# Altium PCB PCB_Raspberry_V5.PcbDoc (part 2 of 2)
Units mm, origin at the board's own origin, x right, y up, seen from the top; angles counter-clockwise.
Board outline 92 x 96 mm, 2 copper layers (Top Layer, Bottom Layer), stack 1.611 mm thick; 98 components, 94 nets, 324 pads, 446 vias.
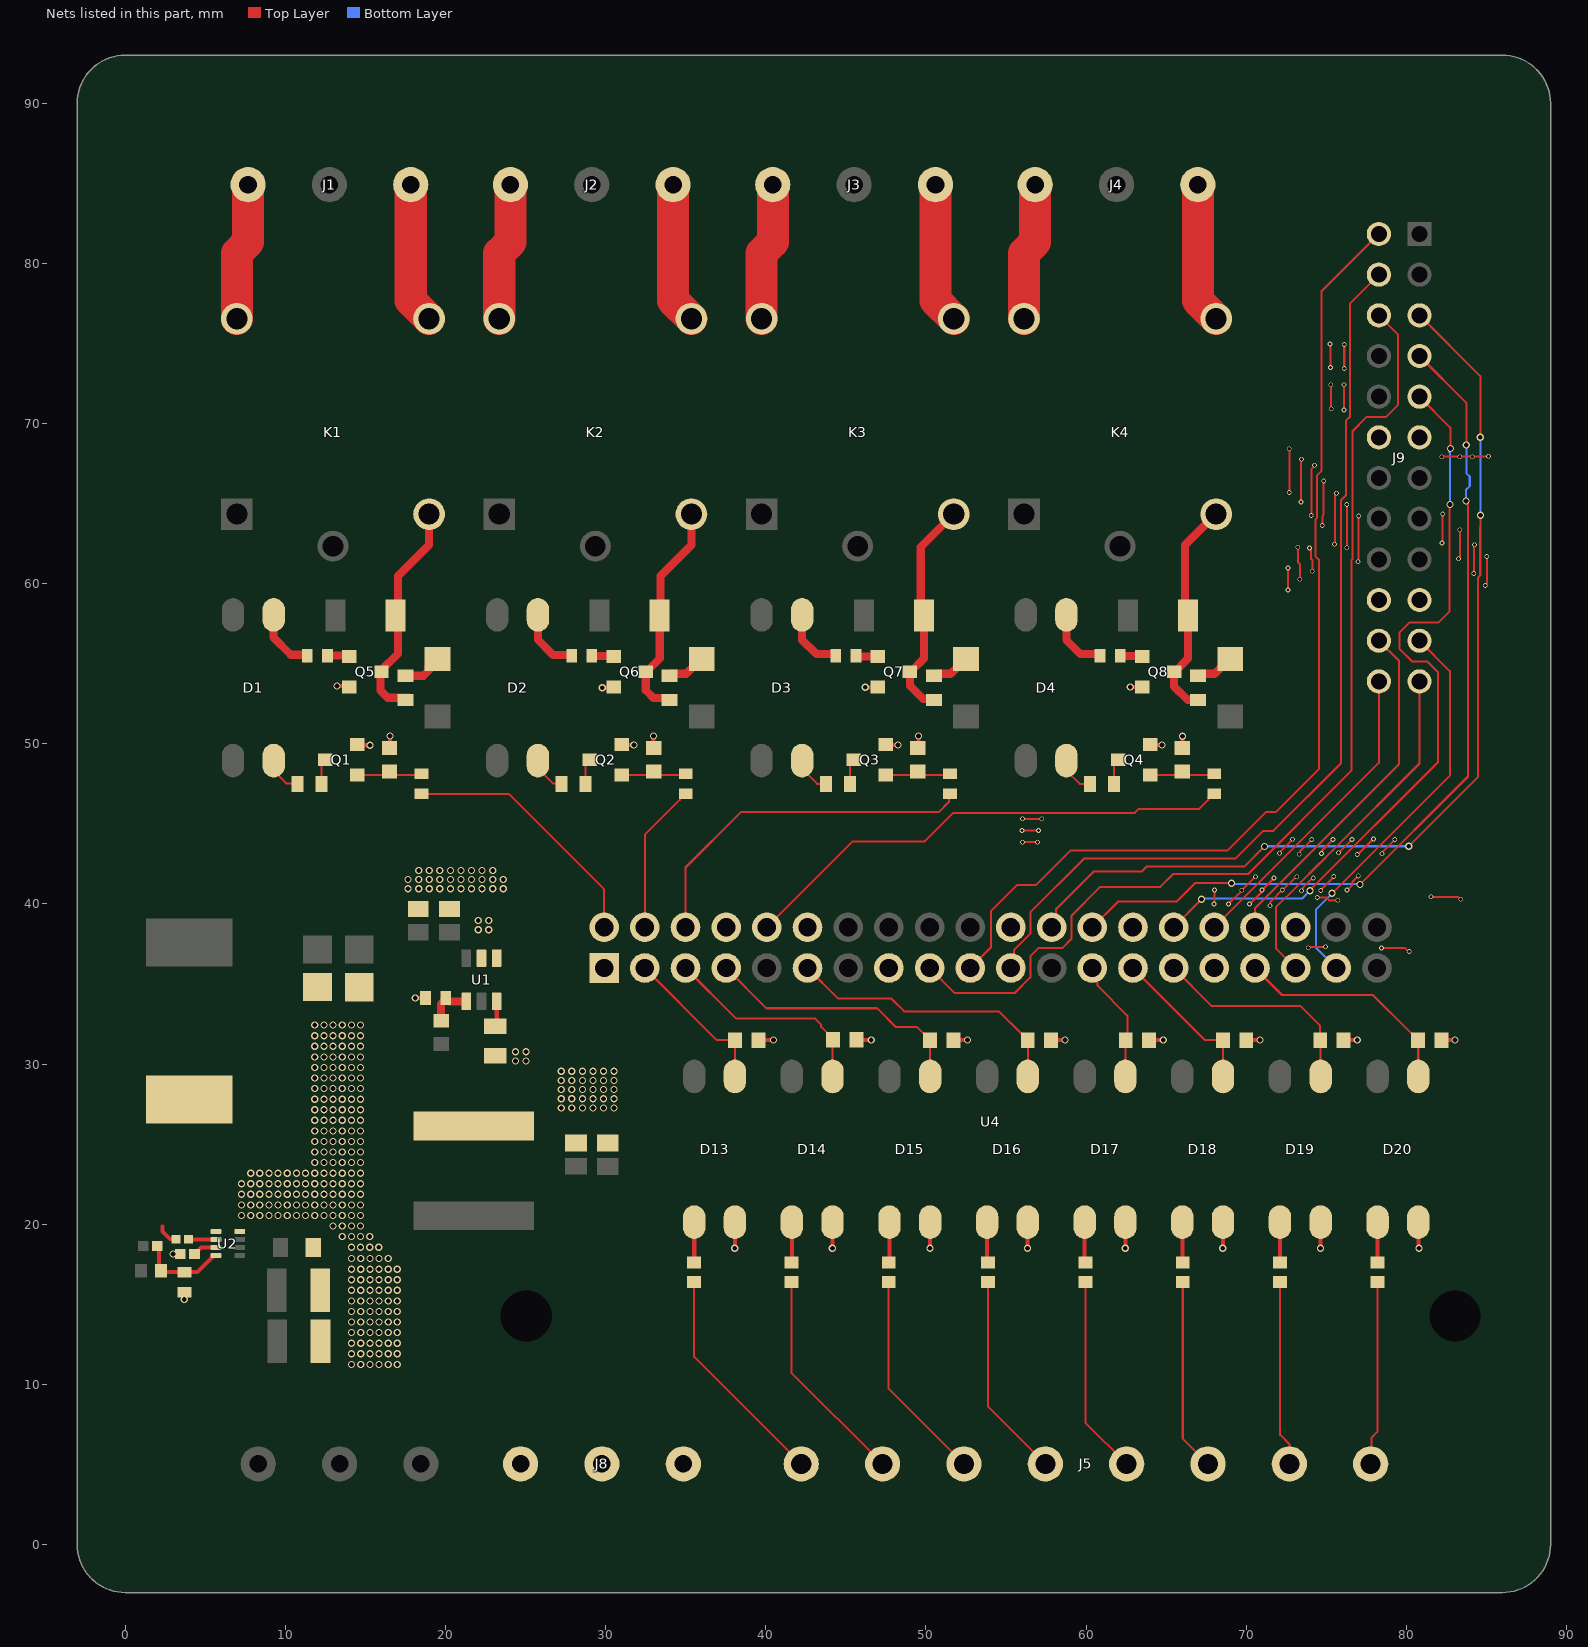
[diagram p2: the nets of this part, all layers, seen from the top]

## Via types
v1: diameter 0.45, hole 0.3, Top Layer to Bottom Layer, tented both sides, 356 vias
v2: diameter 0.3, hole 0.2, Top Layer to Bottom Layer, tented both sides, 83 vias
v3: diameter 3.2, hole 3.2, Top Layer to Bottom Layer, 4 vias
v4: diameter 0.75, hole 0.5, Top Layer to Bottom Layer, tented both sides, 2 vias
v5: diameter 1.27, hole 0.711, Top Layer to Bottom Layer, tented both sides, 1 vias

## Nets (pads, with @x,y where several pads share a name; then routed paths per layer and width w, separated by ;. In a path a pad name is that pad's centre, name@x,y a point inside that pad or via, vN(x,y) a via of type N, cw(c..) or ccw(c..) an arc to the next point about the centre after c; other vN are vias at no path point) (continued)
DI3: J9.3 U4.18 | length 61.5
  Top Layer w0.127: U4.18@57.846,38.54 58.109,38.803 58.109,39.656 60.481,42.028 63.478,42.028 63.802,42.352 69.898,42.352 v1(71.143,43.596) ; v1(80.147,43.609) 84.478,47.94 84.478,60.38 84.613,60.515 84.613,63.509 84.63,63.526 v1(84.63,64.272) ; J9.3@80.82,76.756 84.617,72.959 v1(84.617,69.149)
  Bottom Layer w0.127: v1(71.143,43.596) 71.149,43.603 80.141,43.603 v1(80.147,43.609) ; v1(84.617,69.149) 84.624,69.142 84.624,64.278 v1(84.63,64.272)
DI4: J9.4 U4.16 | length 55.1
  Top Layer w0.127: U4.16@60.386,38.54 62,40.154 65.655,40.154 66.799,41.298 69.076,41.298 v1(69.085,41.289) ; v1(77.112,41.221) 83.847,47.957 83.847,64.942 83.716,65.073 v1(83.716,65.161) ; J9.4@80.82,74.216 83.741,71.295 v1(83.741,68.653)
  Bottom Layer w0.127: v1(69.085,41.289) 69.114,41.26 77.074,41.26 v1(77.112,41.221) ; v1(83.716,65.161) 83.716,65.849 83.957,66.09 83.957,66.691 83.741,66.906 v1(83.741,68.653)
DI5: J9.5 U4.12 | length 48.4
  Top Layer w0.127: U4.12@65.466,38.54 65.466,38.547 67.206,40.287 v1(67.206,40.294) ; v1(73.979,40.821) 73.979,40.857 81.976,48.854 81.976,54.468 81.29,55.153 80.35,55.153 79.563,55.941 79.563,56.944 80.185,57.566 81.988,57.566 82.7,58.278 82.7,64.92 v1(82.725,64.945) ; J9.5@80.82,71.676 82.75,69.746 v1(82.75,68.438)
  Bottom Layer w0.127: v1(67.206,40.294) 67.264,40.353 73.511,40.353 v1(73.979,40.821) ; v1(82.725,64.945) 82.725,68.158 82.674,68.209 82.689,68.223 82.689,68.376 v1(82.75,68.438)
GND: C1.1 C2.1 C3.2 C4.2 C7.1 C8.1 C9.1 C11.1 C12.2 C13.2 D13.2 D14.2 D15.2 D16.2 D17.2 D18.2 D19.2 D20.2 J8.1 J8.2 J8.3 J9.6 J9.10 J9.18 J9.22 Q1.2 Q2.2 Q3.2 Q4.2 Q5.2 Q6.2 Q7.2 Q8.2 R17.1 R18.1 R19.1 R20.1 R21.1 R22.1 R23.1 R24.1 R25.1 R26.1 R27.1 R28.1 R38.1 R40.1 U1.1 U2.4 U4.6 U4.9 U4.14 U4.20 U4.25 U4.30 U4.34 U4.39 | length 100
  Top Layer w0.127: v2(56.004,44.582) v2(57.033,44.582) ; v2(56.03,43.855) v2(56.03,43.855) 56.963,43.857 v2(56.969,43.85) ; v2(56.03,45.319) v2(57.236,45.319) ; v2(67.993,39.99) 68.006,40.002 68.006,40.866 v2(68.018,40.879) ; v2(68.895,39.99) 68.895,40.009 69.72,40.834 v2(69.72,40.853) v2(70.571,41.704) ; v2(70.203,39.99) 70.957,40.744 70.957,40.833 v2(70.99,40.866) 70.99,40.872 71.74,41.621 v2(71.74,41.628) ; v2(71.486,39.888) 71.519,39.921 71.519,40.15 v2(72.248,40.879) 72.286,40.879 73.111,41.704 v2(73.149,41.704) ; v2(72.07,43.165) 72.07,43.196 72.883,44.009 v2(72.883,44.041) ; v2(72.613,59.598) v2(72.613,60.97) ; v2(72.692,65.694) v2(72.692,68.425) ; v2(73.222,62.278) 73.222,61.352 73.345,61.23 73.345,60.276 v2(73.34,60.271) ; v2(73.314,43.101) 73.347,43.134 73.347,43.274 v2(74.089,44.015) ; v2(73.419,65.097) 73.431,65.109 73.431,67.741 v2(73.454,67.764) ; v2(73.454,40.828) 73.454,40.875 73.54,40.961 73.54,41.003 74.166,41.628 v2(74.191,41.628) ; v2(73.873,37.259) 73.92,37.259 73.983,37.323 v2(74.953,37.323) ; v2(73.949,62.227) 73.949,62.18 74.036,62.094 74.036,61.569 74.127,61.478 v2(74.127,60.779) ; v2(74.064,64.259) 74.064,67.146 74.267,67.349 v2(74.267,67.396) ; v2(74.432,40.396) 75.006,40.396 75.177,40.224 75.708,40.224 v2(75.715,40.231) ; v2(74.648,40.84) 74.648,40.872 75.461,41.685 v2(75.461,41.717) ; v2(74.699,43.152) 74.732,43.185 74.732,43.337 v2(75.423,44.028) ; v2(74.749,63.624) 74.749,64.208 74.838,64.297 v2(74.838,66.406) ; v2(75.232,74.965) 75.251,74.946 75.251,73.511 v2(75.27,73.492) ; v2(75.283,72.425) 75.296,72.413 75.296,70.939 v2(75.308,70.927) ; v2(75.511,62.456) 75.544,62.489 75.544,65.507 75.634,65.597 v2(75.634,65.644) ; v2(75.765,43.203) 75.778,43.203 76.591,44.015 v2(76.604,44.015) ; v2(76.108,70.851) v2(76.108,72.425) ; v2(76.121,73.429) v2(76.121,74.94) ; v2(76.281,62.24) v2(76.281,64.945) ; v2(76.299,40.866) 76.643,41.21 76.643,41.401 v2(76.997,41.755) ; v2(76.934,43.088) 76.959,43.088 77.924,44.054 v2(77.95,44.054) ; v2(76.985,61.364) 77.004,61.383 77.004,64.215 v2(77.023,64.234) ; v2(78.445,37.246) 79.922,37.246 80.138,37.03 v2(80.185,37.03) ; v2(78.483,43.139) 78.516,43.172 78.516,43.261 v2(79.271,44.015) ; v2(81.531,40.447) 83.199,40.447 83.351,40.294 v2(83.398,40.294) ; v2(82.204,67.93) v2(83.335,67.93) v2(84.114,67.93) 84.127,67.942 85.113,67.942 v2(85.125,67.955) ; v2(82.217,62.532) 82.242,62.557 82.242,64.323 v2(82.268,64.348) ; v2(83.258,61.554) 83.258,61.601 83.335,61.677 v2(83.335,63.37) ; v2(84.211,60.627) 84.234,60.65 84.234,62.415 v2(84.249,62.43) ; v2(84.922,59.878) 84.922,59.925 85.024,60.026 v2(85.024,61.694)
  Top Layer w0.254: v1(13.218,53.604) 13.946,53.604 Q5.2@14,53.55 ; Q1.2@14.5,49.95 14.542,49.908 v1(15.275,49.908) ; R25.1@16.5,49.729 16.533,49.762 v1(16.533,50.48) ; v1(18.107,34.135) R38.1@18.748,34.135 ; v1(29.791,53.502) 30.452,53.502 Q6.2@30.5,53.55 ; Q2.2@31,49.95 31.016,49.934 v1(31.76,49.934) ; v1(32.992,50.492) 32.992,49.738 R26.1@33,49.729 ; v1(38.059,18.5) 38.065,18.505 38.065,20.123 D13.2@38.07,20.129 ; R17.1@39.538,31.5 v1(40.485,31.5) ; v1(44.155,18.5) 44.161,18.505 44.161,20.123 D14.2@44.166,20.129 ; R18.1@45.659,31.531 45.69,31.5 v1(46.581,31.5) ; v1(46.213,53.528) 46.978,53.528 Q7.2@47,53.55 ; Q3.2@47.5,49.95 47.516,49.934 v1(48.257,49.934) ; R27.1@49.5,49.729 49.527,49.757 v1(49.527,50.48) ; v1(50.251,18.5) 50.257,18.505 50.257,20.123 D15.2@50.262,20.129 ; R19.1@51.717,31.5 v1(52.588,31.5) ; v1(56.347,18.5) 56.353,18.505 56.353,20.123 D16.2@56.358,20.129 ; R20.1@57.813,31.5 v1(58.684,31.5) ; v1(62.443,18.5) 62.449,18.505 62.449,20.123 D17.2@62.454,20.129 ; v1(62.761,53.54) 63.49,53.54 Q8.2@63.5,53.55 ; R21.1@63.934,31.5 v1(64.818,31.5) ; Q4.2@64,49.95 64.016,49.934 v1(64.742,49.934) ; R28.1@66,49.729 66.012,49.741 v1(66.012,50.467) ; v1(68.539,18.5) 68.545,18.505 68.545,20.123 D18.2@68.55,20.129 ; R22.1@70.005,31.5 v1(70.863,31.5) ; v1(74.635,18.5) 74.641,18.505 74.641,20.123 D19.2@74.646,20.129 ; R23.1@76.076,31.5 v1(76.934,31.5) ; D20.2@80.742,20.129 80.762,20.109 80.762,18.52 v1(80.782,18.5) ; R24.1@82.184,31.5 v1(83.03,31.5)
  other v1: 14.132,11.249 14.704,11.249 15.275,11.249 15.847,11.249 16.418,11.249 16.99,11.249 14.132,11.91 14.704,11.91 15.275,11.91 15.847,11.91 16.418,11.91 16.99,11.91 14.132,12.57 14.704,12.57 15.275,12.57 15.847,12.57 16.418,12.57 16.99,12.57 14.132,13.231 14.704,13.231 15.275,13.231 15.847,13.231 16.418,13.231 16.99,13.231 14.132,13.891 14.704,13.891 15.275,13.891 15.847,13.891 16.418,13.891 16.99,13.891 14.132,14.551 14.704,14.551 15.275,14.551 15.847,14.551 16.418,14.551 16.99,14.551 14.132,15.212 14.704,15.212 15.275,15.212 15.847,15.212 16.418,15.212 16.99,15.212 3.684,15.292 14.132,15.872 14.704,15.872 15.275,15.872 15.847,15.872 16.418,15.872 16.99,15.872 14.132,16.533 14.704,16.533 15.275,16.533 15.847,16.533 16.418,16.533 16.99,16.533 14.132,17.193 14.704,17.193 15.275,17.193 15.847,17.193 16.418,17.193 16.99,17.193 14.132,17.853 14.704,17.853 15.275,17.853 15.847,17.853 16.418,17.853 2.986,18.15 14.12,18.565 14.691,18.565 15.263,18.565 15.834,18.565 13.548,19.225 14.12,19.225 14.691,19.225 15.263,19.225 12.977,19.885 13.548,19.885 14.12,19.885 14.691,19.885 7.262,20.546 7.833,20.546 8.405,20.546 8.976,20.546 9.548,20.546 10.119,20.546 10.691,20.546 11.262,20.546 11.834,20.546 12.405,20.546 12.977,20.546 13.548,20.546 14.12,20.546 14.691,20.546 7.262,21.206 7.833,21.206 8.405,21.206 8.976,21.206 9.548,21.206 10.119,21.206 10.691,21.206 11.262,21.206 11.834,21.206 12.405,21.206 12.977,21.206 13.548,21.206 14.12,21.206 14.691,21.206 7.262,21.867 7.833,21.867 8.405,21.867 8.976,21.867 9.548,21.867 10.119,21.867 10.691,21.867 11.262,21.867 11.834,21.867 12.405,21.867 12.977,21.867 13.548,21.867 14.12,21.867 14.691,21.867 7.262,22.527 7.833,22.527 8.405,22.527 8.976,22.527 9.548,22.527 10.119,22.527 10.691,22.527 11.262,22.527 11.834,22.527 12.405,22.527 12.977,22.527 13.548,22.527 14.12,22.527 14.691,22.527 7.833,23.187 8.405,23.187 8.976,23.187 9.548,23.187 10.119,23.187 10.691,23.187 11.262,23.187 11.834,23.187 12.405,23.187 12.977,23.187 13.548,23.187 14.12,23.187 14.691,23.187 11.834,23.848 12.405,23.848 12.977,23.848 13.548,23.848 14.12,23.848 14.691,23.848 11.834,24.508 12.405,24.508 12.977,24.508 13.548,24.508 14.12,24.508 14.691,24.508 11.834,25.169 12.405,25.169 12.977,25.169 13.548,25.169 14.12,25.169 14.691,25.169 11.834,25.829 12.405,25.829 12.977,25.829 13.548,25.829 14.12,25.829 14.691,25.829 11.834,26.489 12.405,26.489 12.977,26.489 13.548,26.489 14.12,26.489 14.691,26.489 11.834,27.15 12.405,27.15 12.977,27.15 13.548,27.15 14.12,27.15 14.691,27.15 27.226,27.264 27.886,27.264 28.547,27.264 29.207,27.264 29.868,27.264 30.528,27.264 11.834,27.81 12.405,27.81 12.977,27.81 13.548,27.81 14.12,27.81 14.691,27.81 27.226,27.836 27.886,27.836 28.547,27.836 29.207,27.836 29.868,27.836 30.528,27.836 27.226,28.407 27.886,28.407 28.547,28.407 29.207,28.407 29.868,28.407 30.528,28.407 11.834,28.471 12.405,28.471 12.977,28.471 13.548,28.471 14.12,28.471 14.691,28.471 27.226,28.979 27.886,28.979 28.547,28.979 29.207,28.979 29.868,28.979 30.528,28.979 11.834,29.131 12.405,29.131 12.977,29.131 13.548,29.131 14.12,29.131 14.691,29.131 27.226,29.55 27.886,29.55 28.547,29.55 29.207,29.55 29.868,29.55 30.528,29.55 11.834,29.791 12.405,29.791 12.977,29.791 13.548,29.791 14.12,29.791 14.691,29.791 11.834,30.452 12.405,30.452 12.977,30.452 13.548,30.452 14.12,30.452 14.691,30.452 11.834,31.112 12.405,31.112 12.977,31.112 13.548,31.112 14.12,31.112 14.691,31.112 11.834,31.773 12.405,31.773 12.977,31.773 13.548,31.773 14.12,31.773 14.691,31.773 11.834,32.433 12.405,32.433 12.977,32.433 13.548,32.433 14.12,32.433 14.691,32.433 17.663,40.955 18.323,40.955 18.984,40.955 19.644,40.955 20.305,40.955 20.965,40.955 21.625,40.955 22.286,40.955 22.946,40.955 23.607,40.955 17.663,41.526 18.323,41.526 18.984,41.526 19.644,41.526 20.305,41.526 20.965,41.526 21.625,41.526 22.286,41.526 22.946,41.526 23.607,41.526 18.323,42.098 18.984,42.098 19.644,42.098 20.305,42.098 20.965,42.098 21.625,42.098 22.286,42.098 22.946,42.098
IN1: J5.1 R29.2 | length 14.1
  Top Layer w0.127: R29.2@35.519,16.385 35.519,11.726 J5.1@42.213,5.032
IN2: J5.2 R30.2 | length 13.7
  Top Layer w0.127: R30.2@41.597,16.385 41.597,10.728 J5.2@47.293,5.032
IN3: J5.3 R31.2 | length 13.3
  Top Layer w0.127: R31.2@47.675,16.385 47.675,9.73 J5.3@52.373,5.032
IN4: J5.4 R32.2 | length 12.8
  Top Layer w0.127: R32.2@53.88,16.385 53.88,8.605 J5.4@57.453,5.032
IN5: J5.5 R33.2 | length 12.4
  Top Layer w0.127: R33.2@59.958,16.385 59.958,7.607 J5.5@62.533,5.032
IN6: J5.6 R34.2 | length 12
  Top Layer w0.127: R34.2@66.035,16.385 66.035,6.61 J5.6@67.613,5.032
IN7: J5.7 R35.2 | length 11.6
  Top Layer w0.127: R35.2@72.113,16.385 72.113,6.843 72.708,6.248 72.708,5.047 J5.7@72.693,5.032
IN8: J5.8 R36.2 | length 11.5
  Top Layer w0.127: J5.8@77.773,5.032 77.81,5.069 77.81,6.652 78.191,7.033 R36.2@78.191,16.385
MISO: J9.13 U4.21 | length 63.4
  Top Layer w0.127: U4.21@52.766,36 54.048,37.282 54.048,39.545 55.699,41.196 56.881,41.196 59.014,43.33 68.819,43.33 71.244,45.755 71.867,45.755 74.534,48.422 74.534,61.503 74.313,61.724 74.313,63.994 74.427,64.109 74.427,66.764 74.686,67.023 74.686,78.242 J9.13@78.28,81.836
MOSI: J9.14 U4.19 | length 58.7
  Top Layer w0.127: U4.19@55.306,36 55.492,36.186 55.492,37.116 56.525,38.149 56.525,39.469 59.903,42.847 69.339,42.847 71.054,44.562 71.689,44.562 75.918,48.791 75.918,65.199 76.223,65.504 76.223,70.177 76.485,70.439 76.485,77.501 J9.14@78.28,79.296
NC1: J1.1 K1.NC | length 8.7
  Top Layer w2: K1.NC@6.972,76.542 6.972,80.632 7.669,81.329 J1.1@7.669,84.915
NC2: J2.1 K2.NC | length 8.7
  Top Layer w2: K2.NC@23.355,76.542 23.355,80.632 24.052,81.329 J2.1@24.052,84.915
NC3: J3.1 K3.NC | length 8.7
  Top Layer w2: K3.NC@39.738,76.542 39.738,80.632 40.435,81.329 J3.1@40.434,84.915
NC4: J4.1 K4.NC | length 8.7
  Top Layer w2: K4.NC@56.121,76.542 56.121,80.632 56.818,81.329 J4.1@56.818,84.915
NetC5_1: C5.1 L1.1 U1.2
  other v1: 24.365,30.195 25.025,30.195 24.365,30.766 25.025,30.766 22.044,38.389 22.705,38.389 22.044,38.961 22.705,38.961
NetC5_2: C5.2 U1.6 | length 1.6
  Top Layer w0.254: U1.6@23.198,33.915 23.198,32.408 C5.2@23.238,32.367
NetC6_1: C6.1 U2.6 | length 1.7
  Top Layer w0.254: C6.1@3.943,19.06 3.952,19.052 5.662,19.052 U2.6@5.671,19.043
NetC6_2: C6.2 L2.1 U2.5 | length 1.3
  Top Layer w0.254: 2.334,19.86 2.334,19.555 2.804,19.085 3.138,19.085 C6.2@3.163,19.06
NetC10_1: C10.1 R39.1 R40.2 U2.8 | length 5.6
  Top Layer w0.254: C10.1@1.999,18.628 2.118,18.509 2.118,17.21 R39.1@2.237,17.091 2.319,17.01 R40.2@3.693,17.01 4.505,17.01 4.984,17.488 5.463,17.967 5.463,18.02 5.486,18.043 U2.8@5.671,18.043
NetC11_2: C11.2 U2.7 | length 1.5
  Top Layer w0.254: C11.2@4.323,18.146 4.343,18.146 4.741,18.543 U2.7@5.671,18.543
NetD1_2: D1.2 R1.1 | length 2.5
  Top Layer w0.127: D1.2@9.27,48.95 9.27,48.306 10.043,47.533 10.717,47.533 R1.1@10.75,47.5
NetD1_3: D1.3 R9.1 | length 4
  Top Layer w0.508: D1.3@9.224,57.938 9.26,57.902 9.26,56.635 10.335,55.56 11.253,55.56 R9.1@11.253,55.345
NetD2_2: D2.2 R2.1 | length 2.4
  Top Layer w0.127: D2.2@25.77,48.95 25.77,48.469 26.731,47.508 27.242,47.508 R2.1@27.25,47.5
NetD2_3: D2.3 R10.1 | length 4.1
  Top Layer w0.508: D2.3@25.77,58.05 25.77,56.495 26.718,55.547 27.824,55.547 R10.1@27.871,55.5
NetD3_2: D3.2 R3.1 | length 2.4
  Top Layer w0.127: D3.2@42.27,48.95 42.27,48.441 43.211,47.5 R3.1@43.75,47.5
NetD3_3: D3.3 R11.1 | length 4.1
  Top Layer w0.508: D3.3@42.27,58.05 42.27,56.492 43.165,55.598 44.293,55.598 44.371,55.52 R11.1@44.371,55.5
NetD4_2: D4.2 R4.1 | length 2.5
  Top Layer w0.127: D4.2@58.77,48.95 58.77,48.323 59.598,47.495 60.245,47.495 R4.1@60.25,47.5
NetD4_3: D4.3 R12.1 | length 4.1
  Top Layer w0.508: D4.3@58.77,58.05 58.77,56.464 59.636,55.598 60.793,55.598 60.871,55.52 R12.1@60.871,55.5
NetD5_2: D5.2 R5.2 | length 2.8
  Top Layer w0.508: R5.2@17.5,54.25 18.617,54.25 18.954,54.587 18.954,54.804 19.494,55.344 D5.2@19.711,55.344
NetD6_2: D6.2 R6.2 | length 2.4
  Top Layer w0.508: R6.2@34,54.25 34.121,54.371 35.021,54.371 35.95,55.3 D6.2@36,55.3
NetD7_2: D7.2 R7.2 | length 2.4
  Top Layer w0.508: R7.2@50.5,54.25 50.621,54.371 51.521,54.371 52.45,55.3 D7.2@52.5,55.3
NetD8_2: D8.2 R8.2 | length 2.4
  Top Layer w0.508: R8.2@67,54.25 67.121,54.371 68.021,54.371 68.95,55.3 D8.2@69,55.3
NetD9_1: D9.1 K1.A2 Q5.3 R5.1 | length 14.2
  Top Layer w0.508: Q5.3@15.932,54.569 15.932,53.328 16.381,52.879 R5.1@17.701,52.879 ; Q5.3@15.982,54.569 17.037,55.624 17.037,57.991 17.037,60.471 18.972,62.406 K1.A2@18.972,64.342
NetD10_1: D10.1 K2.A2 Q6.3 R6.1 | length 13.9
  Top Layer w0.508: D10.1@33.375,58 33.375,55.325 32.55,54.5 Q6.3@32.5,54.5 32.5,53.346 32.975,52.871 33.879,52.871 R6.1@34,52.75 ; D10.1@33.42,57.991 33.42,60.471 35.355,62.406 K2.A2@35.355,64.342
NetD11_1: D11.1 K3.A2 Q7.3 R7.1 | length 14
  Top Layer w0.508: D11.1@49.803,57.991 49.676,57.991 49.676,62.28 K3.A2@51.738,64.342 ; D11.1@49.875,58 49.875,55.325 49.05,54.5 Q7.3@49,54.5 49,53.623 49.807,52.817 50.433,52.817 R7.1@50.5,52.75
NetD12_1: D12.1 K4.A2 Q8.3 R8.1 | length 13.8
  Top Layer w0.508: D12.1@66.186,57.991 66.186,62.407 K4.A2@68.121,64.342 ; D12.1@66.375,58 66.375,55.325 65.55,54.5 Q8.3@65.5,54.5 65.5,53.582 66.329,52.753 66.997,52.753 R8.1@67,52.75
NetD13_1: D13.1 R29.1 | length 2.5
  Top Layer w0.254: R29.1@35.519,17.615 35.53,17.626 D13.1@35.53,20.129
NetD14_1: D14.1 R30.1 | length 2.5
  Top Layer w0.254: R30.1@41.597,17.615 41.626,17.644 D14.1@41.626,20.129
NetD15_1: D15.1 R31.1 | length 2.5
  Top Layer w0.254: R31.1@47.675,17.615 47.722,17.663 D15.1@47.722,20.129
NetD16_1: D16.1 R32.1 | length 2.5
  Top Layer w0.254: D16.1@53.818,20.129 53.818,17.677 R32.1@53.88,17.615
NetD17_1: D17.1 R33.1 | length 2.5
  Top Layer w0.254: D17.1@59.914,20.129 59.914,17.659 R33.1@59.958,17.615
NetD18_1: D18.1 R34.1 | length 2.5
  Top Layer w0.254: D18.1@66.01,20.129 66.01,17.641 R34.1@66.035,17.615
NetD19_1: D19.1 R35.1 | length 2.5
  Top Layer w0.254: D19.1@72.106,20.129 72.106,17.623 R35.1@72.113,17.615
NetD20_1: D20.1 R36.1 | length 2.5
  Top Layer w0.254: R36.1@78.191,17.615 78.202,17.626 D20.1@78.202,20.129
NetQ1_1: Q1.1 R13.2 R25.2 | length 4
  Top Layer w0.127: Q1.1@14.5,48.05 18.421,48.05 R13.2@18.5,48.129
NetQ1_3: Q1.3 R1.2 | length 1.6
  Top Layer w0.127: R1.2@12.25,47.5 12.25,48.75 Q1.3@12.5,49
NetQ2_1: Q2.1 R14.2 R26.2 | length 4
  Top Layer w0.127: Q2.1@31,48.05 34.921,48.05 R14.2@35,48.129
NetQ2_3: Q2.3 R2.2 | length 1.6
  Top Layer w0.127: R2.2@28.75,47.5 28.75,48.75 Q2.3@29,49
NetQ3_1: Q3.1 R15.2 R27.2 | length 4
  Top Layer w0.127: Q3.1@47.5,48.05 51.421,48.05 R15.2@51.5,48.129
NetQ3_3: Q3.3 R3.2 | length 1.6
  Top Layer w0.127: R3.2@45.25,47.5 45.25,48.75 Q3.3@45.5,49
NetQ4_1: Q4.1 R16.2 R28.2 | length 4
  Top Layer w0.127: Q4.1@64,48.05 67.921,48.05 R16.2@68,48.129
NetQ4_3: Q4.3 R4.2 | length 1.6
  Top Layer w0.127: R4.2@61.75,47.5 61.75,48.75 Q4.3@62,49
NetQ5_1: Q5.1 R9.2 | length 1.3
  Top Layer w0.508: R9.2@12.59,55.522 12.591,55.52 13.931,55.52 Q5.1@13.932,55.519
NetQ6_1: Q6.1 R10.2 | length 1.4
  Top Layer w0.508: R10.2@29.129,55.5 29.154,55.475 30.475,55.475 Q6.1@30.5,55.45
NetQ7_1: Q7.1 R11.2 | length 1.4
  Top Layer w0.254: R11.2@45.629,55.5 R11.2@45.679,55.45
  Top Layer w0.508: R11.2@45.679,55.45 Q7.1@47,55.45
NetQ8_1: Q8.1 R12.2 | length 1.4
  Top Layer w0.508: R12.2@62.129,55.5 62.154,55.475 63.475,55.475 Q8.1@63.5,55.45
NetR37_1: R37.1 R38.2 U1.4 | length 3
  Top Layer w0.254: R38.2@20.007,34.036 R38.2@20.007,34.135 ; R38.2@20.007,34.12 R38.2@20.212,33.915
  Top Layer w0.508: R37.1@19.726,32.598 19.726,33.755 R38.2@20.007,34.036 ; R38.2@20.212,33.915 U1.4@21.298,33.915
NO1: J1.3 K1.NO | length 8.8
  Top Layer w2: J1.3@17.829,84.915 17.829,77.685 K1.NO@18.972,76.542
NO2: J2.3 K2.NO | length 8.8
  Top Layer w2: J2.3@34.212,84.915 34.212,77.685 K2.NO@35.355,76.542
NO3: J3.3 K3.NO | length 8.8
  Top Layer w2: J3.3@50.594,84.915 50.595,77.685 K3.NO@51.738,76.542
NO4: J4.3 K4.NO | length 8.8
  Top Layer w2: J4.3@66.978,84.915 66.978,77.685 K4.NO@68.121,76.542
OI1: D13.3 R17.2 U4.37 | length 9.8
  Top Layer w0.127: U4.37@32.446,36 36.946,31.5 R17.2@38.079,31.5 38.07,31.491 D13.3@38.07,29.229
OI2: D14.3 R18.2 U4.35 | length 13.5
  Top Layer w0.127: U4.35@34.986,36 38.147,32.839 43.088,32.839 43.46,32.468 43.46,32.321 44.2,31.581 R18.2@44.2,31.531 44.166,31.497 D14.3@44.166,29.229
OI3: D15.3 R19.2 U4.33 | length 16.9
  Top Layer w0.127: U4.33@37.526,36 40.039,33.487 46.949,33.487 48.13,32.307 49.452,32.307 49.841,31.918 49.89,31.918 50.258,31.549 R19.2@50.258,31.5 50.262,31.496 D15.3@50.262,29.229
OI4: D16.3 R20.2 U4.29 | length 17.9
  Top Layer w0.127: U4.29@42.606,36 44.522,34.084 47.851,34.084 48.638,33.297 54.558,33.297 55.937,31.918 55.986,31.918 56.354,31.549 R20.2@56.354,31.5 56.358,31.496 D16.3@56.358,29.229
OI5: D17.3 R21.2 U4.15 | length 7.7
  Top Layer w0.127: U4.15@60.386,36 60.716,35.67 60.716,34.897 62.583,33.03 62.583,31.607 R21.2@62.476,31.5 62.454,31.478 D17.3@62.454,29.229
OI6: D18.3 R22.2 U4.13 | length 9.8
  Top Layer w0.127: U4.13@62.926,36 67.426,31.5 R22.2@68.546,31.5 68.55,31.496 D18.3@68.55,29.229
OI7: D19.3 R23.2 U4.11 | length 13.8
  Top Layer w0.127: U4.11@65.466,36 67.827,33.64 73.365,33.64 74.617,32.388 R23.2@74.617,31.5 74.646,31.471 D19.3@74.646,29.229
OI8: D20.3 R24.2 U4.7 | length 14.4
  Top Layer w0.127: U4.7@70.546,36 72.233,34.313 77.913,34.313 80.308,31.918 80.357,31.918 80.726,31.549 R24.2@80.726,31.5 80.742,31.484 D20.3@80.742,29.229
Rele1: R13.1 U4.40 | length 16.2
  Top Layer w0.127: R13.1@18.5,46.871 23.952,46.871 29.906,40.916 U4.40@29.906,38.54
Rele2: R14.1 U4.38 | length 9.4
  Top Layer w0.127: U4.38@32.446,38.54 32.446,44.317 34.632,46.503 34.632,46.602 34.901,46.871 R14.1@35,46.871
Rele3: R15.1 U4.36 | length 22.4
  Top Layer w0.127: U4.36@34.986,38.54 34.986,42.276 38.44,45.73 50.797,45.73 51.432,46.365 51.432,46.803 R15.1@51.5,46.871
Rele4: R16.1 U4.32 | length 31.4
  Top Layer w0.127: U4.32@40.066,38.54 45.439,43.913 49.933,43.913 51.702,45.682 63.043,45.682 63.294,45.933 67.062,45.933 67.632,46.503 67.632,46.602 67.901,46.871 R16.1@68,46.871
RXD: J9.24 U4.10 | length 19.6
  Top Layer w0.127: U4.10@68.006,38.54 78.28,48.814 J9.24@78.28,53.896
SCL: J9.12 U4.5 | length 22.1
  Top Layer w0.127: U4.5@73.086,36 71.854,37.232 71.854,39.786 73.206,41.138 73.206,41.157 74.608,42.56 74.621,42.56 75.402,43.341 75.402,43.353 80.82,48.771 J9.12@80.82,53.896
SCLK: J9.15 U4.23 | length 65.2
  Top Layer w0.127: U4.23@50.226,36 51.774,34.452 55.56,34.452 56.525,35.418 56.525,36.738 57.046,37.259 58.532,37.259 59.09,37.818 59.09,39.266 60.894,41.069 64.64,41.069 65.44,41.869 70.114,41.869 76.566,48.321 76.566,61.459 76.645,61.538 76.645,69.533 77.505,70.393 78.712,70.393 79.487,71.168 79.487,75.55 J9.15@78.28,76.756
SDA: J9.11 U4.3 | length 25.2
  Top Layer w0.127: v1(75.359,40.663) 82.712,48.016 82.712,54.544 J9.11@80.82,56.436
  Bottom Layer w0.127: v1(75.359,40.663) 74.343,39.647 74.343,37.283 U4.3@75.626,36
TXD: J9.23 U4.8 | length 22.1
  Top Layer w0.127: U4.8@70.546,38.54 70.546,39.723 79.537,48.714 79.537,55.179 J9.23@78.28,56.436
pads on no net: U2.1 U2.2 U4.27 U4.28 U4.41 U4.43
copper on no net:
  other v3: 0,0 86,0 0,90 86,90

## Polygon pours and split planes (outlines as drawn)
NetC6_2 on Top Layer "NONET_L-01_P-001" (solid, pour order 14): 5.293,19.377 4.506,19.377 4.15,19.733 -1.438,19.733 -2.386,20.681 -2.413,28.461 -1.527,29.347 9.154,29.347 10.119,28.382 10.119,25.143 9.103,24.127 6.97,24.127 6.157,23.314 6.157,19.568 5.966,19.377
+5V on Top Layer "NONET_L-01_P-001" (solid, pour order 6): 88.77,66.355 87.411,67.714 77.861,67.714 77.261,67.113 77.261,66.117 77.836,65.542 86.306,65.542 87.157,64.691 87.157,40.98 86.23,40.002 74.94,40.002 74.381,39.443 74.381,38.11 74.965,37.526 84.363,37.526 85.544,36.345 85.544,25.994 83.932,24.381 28.775,24.381 26.096,21.702 17.764,21.702 17.345,21.282 17.345,19.123 17.714,18.755 28.306,18.755 31.747,22.133 87.538,22.133 88.77,23.365
GND on Top Layer "NONET_L-01_P-001" (solid, pour order 13): 10.818,24.724 9.624,23.53 7.287,23.53 6.69,22.933 6.69,19.542 6.839,19.394 7.227,19.394 7.782,19.949 11.059,19.949 11.275,19.746 11.275,17.574 11.529,17.32 11.529,11.059 12.723,9.865 17.053,9.865 17.574,10.386 17.574,18.12 15.961,19.733 15.961,35.303 15.542,35.722 11.008,35.722 10.818,35.532
+12V on Top Layer "NONET_L-01_P-001" (solid, pour order 7): 19.86,38.885 20.686,38.885 20.94,38.631 20.94,37.805 21.6,37.145 21.6,36.04 16.164,36.04 15.898,36.307 -1.044,36.307 -2.81,38.072 -2.809,67.523 0.962,71.295 71.549,71.295 71.981,70.863 71.981,68.539 71.511,68.069 58.112,68.069 57.414,67.307 57.414,63.37 57.02,62.977 55.09,62.977 54.76,63.307 54.76,67.218 53.909,68.069 42.098,68.069 40.955,66.952 40.955,63.383 40.98,63.358 40.688,63.065 38.707,63.065 38.542,63.231 38.542,66.977 37.45,68.069 25.677,68.069 24.699,67.104 24.699,63.269 24.419,62.989 22.362,62.989 22.184,63.167 22.184,67.079 21.194,68.069 8.798,68.069 8.252,67.498 8.252,63.446 7.986,63.18 6.004,63.18 5.7,63.484 5.699,67.345 4.976,68.069 2.423,68.069 -0.612,65.034 -0.612,39.418 -0.105,38.911 16.152,38.885
GND on Top Layer "NONET_L-01_P-001" (solid, pour order 11): 23.495,36.014 24.457,35.001 24.457,32.382 26.235,30.604 26.235,25.423 27.124,24.534 30.795,24.534 31.404,25.143 31.404,30.604 27.417,34.592 27.417,39.736 24.597,42.555 17.993,42.555 17.142,41.704 17.142,39.431 17.409,39.164 17.434,39.189 20.965,39.189 21.486,39.71 23.213,39.71 23.556,39.367 23.556,38.128 22.87,37.427 22.87,36.091 22.946,36.014
+24V on Top Layer "NONET_L-01_P-001" (solid, pour order 12): 5.242,9.802 5.242,15.152 7.782,17.768 7.782,18.552 7.477,18.857 6.843,18.857 6.779,18.92 6.779,19.136 6.843,19.212 7.478,19.212 7.973,19.708 9.929,19.708 10.132,19.504 10.132,11.313 13.116,8.328 19.162,8.328 20.355,7.135 20.355,2.791 19.212,1.648 7.109,1.648 5.242,3.515
NetC5_1 on Top Layer "NONET_L-01_P-001" (solid, pour order 8): 17.371,29.474 17.892,29.995 21.524,29.995 22.527,30.998 25.194,30.998 25.588,30.604 25.588,25.27 25.334,25.016 17.917,25.016 17.371,25.562
NetC5_1 on Top Layer "NONET_L-01_P-001" (solid, pour order 9): 21.943,37.678 21.613,38.008 21.613,39.062 21.879,39.329 22.845,39.329 23.086,39.088 23.086,38.161 22.933,38.008 22.565,37.625 22.565,36.065 22.552,36.053 21.943,36.053
GND on Bottom Layer "GND_L02_P005" (solid, pour order 5): -2.99,58.659 -0.716,60.932 68.438,60.932 69.923,62.418 69.923,90.65 72.352,92.985 86.01,92.985 cw(c86.01,89.985) 89.01,89.985 89.01,0.073 cw(c86.01,0.073) 86.01,-2.927 86.01,-3.015 0.01,-3.015 cw(c0.01,-0.015) -2.99,-0.015
NetC5_1 on Bottom Layer "NONET_L-01_P-001" (solid, pour order 10): 23.086,39.088 23.086,36.909 25.296,34.713 25.296,30.134 25.067,29.906 24.33,29.906 24.102,30.134 24.102,34.122 21.613,36.611 21.613,39.062 21.879,39.329 22.845,39.329

## Silkscreen, mask and mechanical layers (free items; w line width, h text height)
Top Overlay:
  drawing of 245 lines, arcs and shapes, not listed
  text "RELAY OUTPUT O21" at 20.94,92.42 h1.5 r180
  text "RELAY OUTPUT O20" at 37.284,92.42 h1.5 r180
  text "RELAY OUTPUT O16" at 53.706,92.42 h1.5 r180
  text "RELAY OUTPUT O12" at 70.012,92.42 h1.5 r180
  text "NC" at 8.613,90.367 h1.5 r180
  text "COM" at 14.328,90.367 h1.5 r180
  text "NO" at 18.773,90.367 h1.5 r180
  text "NC" at 24.996,90.367 h1.5 r180
  text "COM" at 30.711,90.367 h1.5 r180
  text "NO" at 35.156,90.367 h1.5 r180
  text "NC" at 41.378,90.367 h1.5 r180
  text "COM" at 47.093,90.367 h1.5 r180
  text "NO" at 51.538,90.367 h1.5 r180
  text "NC" at 57.762,90.367 h1.5 r180
  text "COM" at 63.477,90.367 h1.5 r180
  text "NO" at 67.922,90.367 h1.5 r180
  text "EDUPI4.0  V1.2  1/26" at -1.887,84.541 h2 r270
  text "GPIO EXP." at 71.498,83.106 h2
  text "9" at 71.62,80.711 h1.8
  text "6" at 74.5,80.711 h1.8
  text "10" at 71.62,78.171 h1.8
  text "25" at 74.5,78.171 h1.8
  text "11" at 71.62,75.631 h1.8
  text "24" at 74.5,75.631 h1.8
  text "7" at 71.62,73.091 h1.8
  text "23" at 74.5,73.091 h1.8
  text "8" at 71.62,70.551 h1.8
  text "18" at 74.5,70.551 h1.8
  text "GND" at 71.5,68.011 h1.8
  text "5V" at 71.5,65.471 h1.8
  text "3V3" at 71.5,62.931 h1.8
  text "12V" at 71.5,60.391 h1.8
  text "GND" at 71.5,57.851 h1.8
  text "14" at 71.62,55.311 h1.8
  text "2" at 74.5,55.311 h1.8
  text "15" at 71.62,52.771 h1.8
  text "3" at 74.5,52.771 h1.8
  text "RASPBERRY PI ZERO 2W" at 84.333,36 h1.75 r270
  text "I26" at 41.4,-0.42 h1.5
  text "I19" at 46.4,-0.418 h1.5
  text "I13" at 51.9,-0.42 h1.5
  text "I5" at 56.95,-0.42 h1.5
  text "+ 24V DC" at 5.179,-0.436 h1.5
  text "GND" at 21.638,-0.436 h1.5
  text "I22" at 61.7,-0.436 h1.5
  text "I27" at 66.75,-0.436 h1.5
  text "I17" at 72,-0.436 h1.5
  text "I4" at 77.302,-0.436 h1.5
  text "VIN" at 19.257,-2.472 h1.5
  text "OPTICALLY ISOLATED INPUTS" at 46.149,-2.472 h1.5
Bottom Overlay:
  drawing of 20358 lines, arcs and shapes, not listed
  text "DESIGNED BY JHS, MAVB & PDDF IN USAL (SPAIN)" at 83.043,-1.532 h2
Mechanical 1:
  circle w0.1: c83.035,14.27 r3
  circle w0.1: c25.035,14.27 r3.125
  circle w0.254: c0,0 r2.75
  circle w0.254: c0,90 r2.75
  circle w0.254: c86,90 r2.75
  circle w0.254: c86,0 r2.75
  lines w0.254: 0,90 -3,90 ; 85.912,93 0,93 ; 89,0.088 89,90 ; -3,0 ccw(c0,0) 0,-3 ; -3,0 -3,90 ; -3,0 0,0 0,-3 ; -3,90 cw(c0,90) 0,93 ; 0,-3 86,-3 ; 0,93 0,93 ; 86,-3 ccw(c86,0) 89,0 86,0 86,-3 ; 89,90 ccw(c86,90) 86,93 86,90 89,90